# Altium PCB PCB - Assignment 1.PcbDoc (part 1 of 2) (continued)
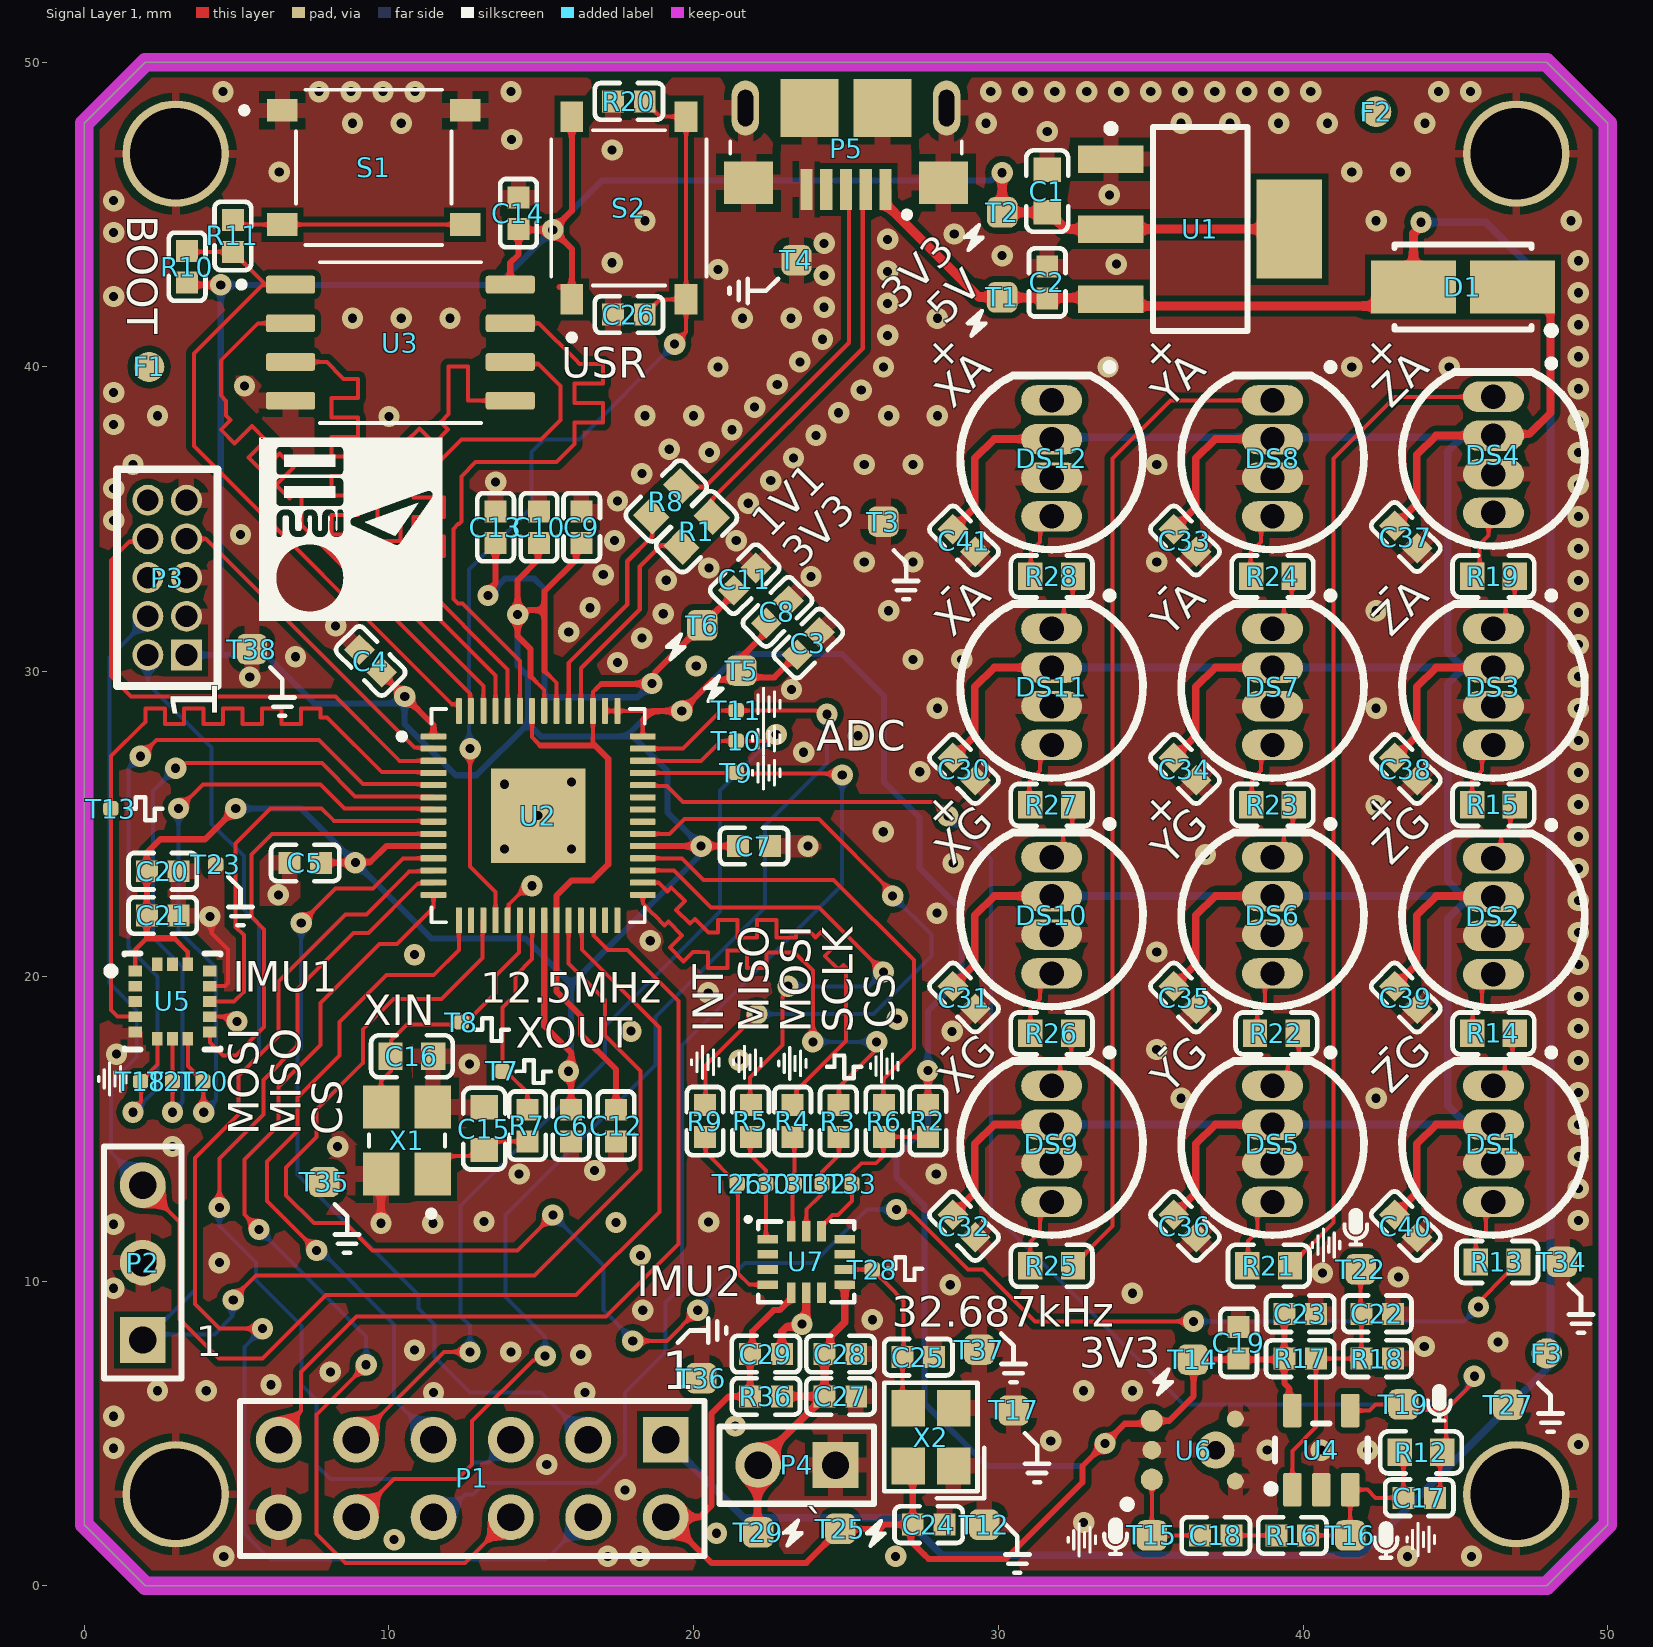
[diagram p0: Signal Layer 1 view]
## Design rules (kind name [scope] priority, off if disabled: settings) (continued)
SupplyNets "Schematic Supply Nets_1" [InNet('+5V')] p4: voltage=0.000
SupplyNets "Schematic Supply Nets" [InNet('+3V3')] p5: voltage=0.000
Width [All] p1: maxlimit=2.54 minlimit=0.089 preferedwidth=0.381
24 further rules are at their usual default settings.

## Classes and differential pairs
net class QSPI: QSPI_CLK QSPI_CS QSPI_SD0 QSPI_SD1 QSPI_SD2 QSPI_SD3
net class USB: USB_N USB_P USB_X_N USB_X_P
net class Signals: ADC1 ADC2 ADC3 GPIO12 IMU1_CS IMU1_INT1 IMU1_INT2 IMU1_MISO IMU1_MOSI IMU2_CS IMU2_CS` IMU2_INT IMU2_INT` IMU2_MISO IMU2_MISO` IMU2_MOSI IMU2_MOSI` LED_DIN MIC_IN NetC17_1 NetC18_1 NetC18_2 NetC22_2 NetDS1_1 NetDS1_4 NetDS2_1 NetDS2_4 NetDS3_1 NetDS3_4 NetDS4_1 NetDS4_4 NetDS5_1 NetDS5_4 NetDS6_1 NetDS6_4 NetDS7_1 NetDS7_4 NetDS8_1 NetDS8_4 NetDS9_1 NetDS9_4 NetDS10_1 NetDS10_4 NetDS11_1 NetDS11_4 NetDS12_4 RUN RX SW1 SWDIO TX UART1_CTS UART1_RTS UART1_RX UART1_TX
net class Power: +1V1 +3V3 +4V3 +5V IMU2_Power
net class GND: GND NetR11_1
net class Clock: CLOCK IMU1_SCLK IMU2_SCLK IMU2_SCLK` SWCLK XIN XOUT XOUT`
component class "SCH - Peripheral": C17 C18 C19 C20 C21 C22 C23 C24 C25 C26 C27 C28 C29 P4 R2 R12 R16 R17 R18 R20 R36 S2 T3 T12 T13 T14 T15 T16 T17 T18 T19 T20 T21 T22 T23 T25 T26 T27 T28 T29 T30 T31 T32 T33 T34 T35 T36 T37 T38 U4 U5 U6 U7 X2
component class "SCH - LED Array": C30 C31 C32 C33 C34 C35 C36 C37 C38 C39 C40 C41 D1 DS1 DS2 DS3 DS4 DS5 DS6 DS7 DS8 DS9 DS10 DS11 DS12 R13 R14 R15 R19 R21 R22 R23 R24 R25 R26 R27 R28
component class "SCH - Inputs and Intermediary": C1 C2 C3 C4 C5 C6 C7 C8 C9 C10 C11 C12 C13 C14 C15 C16 F1 F2 F3 P1 P2 P3 P5 R1 R3 R4 R5 R6 R7 R8 R9 R10 R11 S1 T1 T2 T4 T5 T6 T7 T8 T9 T10 T11 U1 U2 U3 X1
differential pair USB: +USB_P -USB_N
differential pair USB_X: +USB_X_P -USB_X_N

## Components (designator, comment, footprint, x,y, rotation, side; value= is the part's Value field where it differs from the comment)
C1 "CL10A226MQ8NRNC" CAP-0603 31.605,45.775 r270 top value=22µF
C2 "CL05A106MQ5NUNC" CAP-0402 31.605,42.775 r270 top value=10µF
C3 "CL05A105KA5NQNC" CAP-0402 23.762,30.925 r225 top value=1µF
C4 "CL05B104KB54PNC" CAP-0402 9.396,30.35 r315 top value=100nF
C5 "CL05B104KB54PNC" CAP-0402 7.25,23.723 r0 top value=100nF
C6 "CL05B104KB54PNC" CAP-0402 15.978,15.101 r90 top value=100nF
C7 "CL05B104KB54PNC" CAP-0402 21.979,24.275 r180 top value=100nF
C8 "CL05B104KB54PNC" CAP-0402 22.75,31.962 r225 top value=100nF
C9 "CL05B104KB54PNC" CAP-0402 16.325,34.74 r270 top value=100nF
C10 "CL05B104KB54PNC" CAP-0402 14.925,34.74 r270 top value=100nF
C11 "CL05A105KA5NQNC" CAP-0402 21.675,33.037 r45 top value=1µF
C12 "CL05B104KB54PNC" CAP-0402 17.451,15.1 r90 top value=100nF
C13 "CL05B104KB54PNC" CAP-0402 13.5,34.74 r270 top value=100nF
C14 "CL05B104KB54PNC" CAP-0402 14.25,45.05 r270 top value=100nF
C15 "0603CG300J500NT" CAP-0603 13.125,15 r270 top value=30pF
C16 "0603CG300J500NT" CAP-0603 10.75,17.375 r180 top value=30pF
C17 "0402CG330J500NT" CAP-0402 43.818,2.884 r0 top value=33pF
C18 "CL05A106MQ5NUNC" CAP-0402 37.138,1.649 r0 top value=10µF
C19 "CL05B104KB54PNC" CAP-0402 37.888,7.971 r270 top value=100nF
C20 "CL05A106MQ5NUNC" CAP-0402 2.571,23.448 r0 top value=10µF
C21 "CL05B104KB54PNC" CAP-0402 2.571,21.998 r180 top value=100nF
C22 "CL05A225MQ5NSNC" CAP-0402 42.438,8.924 r180 top value=2.2µF
C23 "CL05B104KB54PNC" CAP-0402 39.906,8.924 r180 top value=100nF
C24 "CL05B103KB5NNNC" CAP-0402 27.711,2.002 r180 top value=10nF
C25 "0402CG150J500NT" CAP-0402 27.375,7.5 r180 top value=15pF
C26 "CL05B104KO5NNNC" CAP-0402 17.875,41.72 r0 top value=100nF
C27 "CL05A225MQ5NSNC" CAP-0402 24.816,6.212 r180 top value=2.2µF
C28 "CL05B104KB54PNC" CAP-0402 24.816,7.602 r180 top value=100nF
C29 "CL05B103KB5NNNC" CAP-0402 22.373,7.602 r180 top value=10nF
C30 "CL05B104KO5NNNC" CAP-0402 28.875,26.805 r135 top value=100nF
C31 "CL05B104KO5NNNC" CAP-0402 28.875,19.305 r135 top value=100nF
C32 "CL05B104KO5NNNC" CAP-0402 28.875,11.805 r135 top value=100nF
C33 "CL05B104KO5NNNC" CAP-0402 36.125,34.305 r135 top value=100nF
C34 "CL05B104KO5NNNC" CAP-0402 36.125,26.805 r135 top value=100nF
C35 "CL05B104KO5NNNC" CAP-0402 36.125,19.305 r135 top value=100nF
C36 "CL05B104KO5NNNC" CAP-0402 36.125,11.805 r135 top value=100nF
C37 "CL05B104KO5NNNC" CAP-0402 43.375,34.42 r135 top value=100nF
C38 "CL05B104KO5NNNC" CAP-0402 43.375,26.805 r135 top value=100nF
C39 "CL05B104KO5NNNC" CAP-0402 43.375,19.305 r135 top value=100nF
C40 "CL05B104KO5NNNC" CAP-0402 43.375,11.805 r135 top value=100nF
C41 "CL05B104KO5NNNC" CAP-0402 28.875,34.305 r135 top value=100nF
D1 "MDD-M7" DIOM4227X24M 45.25,42.625 r180 top
DS1 "WS2812D-F5-1261" WS2812D-F5-1261-Footprint-1 46.25,14.5 r90 top
DS2 "WS2812D-F5-1261" WS2812D-F5-1261-Footprint-1 46.25,21.97 r90 top
DS3 "WS2812D-F5-1261" WS2812D-F5-1261-Footprint-1 46.25,29.5 r90 top
DS4 "WS2812D-F5-1261" WS2812D-F5-1261-Footprint-1 46.25,37.115 r90 top
DS5 "WS2812D-F5-1261" WS2812D-F5-1261-Footprint-1 39,14.5 r90 top
DS6 "WS2812D-F5-1261" WS2812D-F5-1261-Footprint-1 39,22 r90 top
DS7 "WS2812D-F5-1261" WS2812D-F5-1261-Footprint-1 39,29.5 r90 top
DS8 "WS2812D-F5-1261" WS2812D-F5-1261-Footprint-1 39,37 r90 top
DS9 "WS2812D-F5-1261" WS2812D-F5-1261-Footprint-1 31.75,14.5 r90 top
DS10 "WS2812D-F5-1261" WS2812D-F5-1261-Footprint-1 31.75,22 r90 top
DS11 "WS2812D-F5-1261" WS2812D-F5-1261-Footprint-1 31.75,29.5 r90 top
DS12 "WS2812D-F5-1261" WS2812D-F5-1261-Footprint-1 31.75,37 r90 top
F1 "Fiducial Pad" Fiducial 2.125,40 r0 top
F2 "Fiducial Pad" Fiducial 42.4,48.375 r0 top
F3 "Fiducial Pad" Fiducial 48,7.625 r0 top
P1 "Header 6X2" HDR2X6 19.08,4.79 r180 top locked
P2 "Header 3" HDR1X3 1.918,8.064 r90 top
P3 "Header 1.27mm 2x5 PTH" "Header 1.27mm 2x5 PTH" 3.355,30.548 r90 top locked
P4 "Header 2" HDR1X2 24.656,3.958 r180 top
P5 "10118193-0001LF" FCI_10118193-0001LF 25,48.5 r180 top
R1 "0603WAF270JT5E" RES-0603 20.095,34.595 r225 top value=27
R2 "0402WGF5102TCE" RES-0402 27.688,15.252 r90 top value=51k
R3 "0402WGF0000TCE" RES-0402 24.75,15.25 r270 top value=0
R4 "0402WGF0000TCE" RES-0402 23.25,15.25 r270 top value=0
R5 "0402WGF0000TCE" RES-0402 21.875,15.25 r270 top value=0
R6 "0402WGF0000TCE" RES-0402 26.25,15.25 r270 top value=0
R7 "0402WGF1001TCE" RES-0402 14.546,15.1 r270 top value=1k
R8 "0603WAF270JT5E" RES-0603 19.1,35.6 r225 top value=27
R9 "0402WGF0000TCE" RES-0402 20.375,15.25 r270 top value=0
R10 "0402WGF1002TCE" RES-0402 3.375,43.29 r270 top value=10k
R11 "0402WGF1001TCE" RES-0402 4.875,44.3 r270 top value=1k
R12 "0603WAF2203T5E" RES-0603 43.875,4.375 r0 top value=220k
R13 "0603WAF750JT5E" RES-0603 46.375,10.625 r180 top value=75
R14 "0603WAF750JT5E" RES-0603 46.25,18.125 r180 top value=75
R15 "0603WAF750JT5E" RES-0603 46.25,25.625 r180 top value=75
R16 "0402WGF3301TCE" RES-0402 39.65,1.649 r0 top value=3.3k
R17 "0402WGF1003TCE" RES-0402 39.906,7.451 r180 top value=100k
R18 "0402WGF1003TCE" RES-0402 42.438,7.451 r180 top value=100k
R19 "0603WAF750JT5E" RES-0603 46.25,33.125 r180 top value=75
R20 "0402WGF1003TCE" RES-0402 17.875,48.72 r0 top value=100k
R21 "0603WAF750JT5E" RES-0603 38.875,10.5 r180 top value=75
R22 "0603WAF750JT5E" RES-0603 39.125,18.125 r180 top value=75
R23 "0603WAF750JT5E" RES-0603 39,25.625 r180 top value=75
R24 "0603WAF750JT5E" RES-0603 39,33.125 r180 top value=75
R25 "0603WAF750JT5E" RES-0603 31.75,10.5 r180 top value=75
R26 "0603WAF750JT5E" RES-0603 31.75,18.125 r180 top value=75
R27 "0603WAF750JT5E" RES-0603 31.75,25.625 r180 top value=75
R28 "0603WAF750JT5E" RES-0603 31.75,33.125 r180 top value=75
R36 "0402WGF0000TCE" RES-0402 22.373,6.212 r0 top value=0
S1 "TS-1187A-B-A-B" SW_TS-1187A-B-A-B 9.5,46.55 r0 top
S2 "TS-1187A-B-A-B" SW_TS-1187A-B-A-B 17.875,45.22 r90 top
T1 "TP" TestPoint 30.125,42.285 r0 top
T2 "TP" TestPoint 30.125,45.075 r0 top
T3 "TP" TestPoint 26.229,34.928 r0 top
T4 "TP" TestPoint 23.375,43.5 r0 top
T5 "TP" TestPoint 21.57,30.037 r0 top
T6 "TP" TestPoint 20.282,31.52 r0 top
T7 "TP" "TestPoint - Small" 13.718,16.885 r0 top
T8 "TP" "TestPoint - Small" 12.375,18.5 r0 top
T9 "TP" "TestPoint - Small" 21.396,26.69 r0 top
T10 "TP" "TestPoint - Small" 21.396,27.725 r90 top
T11 "TP" "TestPoint - Small" 21.396,28.725 r90 top
T12 "TP" TestPoint 29.543,2.002 r90 top
T13 "TP" "TestPoint - Small" 0.871,25.506 r90 top
T14 "TP" TestPoint 36.388,7.421 r180 top
T15 "TP" TestPoint 35.038,1.649 r180 top
T16 "TP" TestPoint 41.55,1.649 r180 top
T17 "TP" TestPoint 30.5,5.75 r90 top
T18 "TP" "TestPoint - Small" 1.846,16.55 r90 top
T19 "TP" TestPoint 43.298,5.949 r180 top
T20 "TP" "TestPoint - Small" 3.896,16.55 r90 top
T21 "TP" "TestPoint - Small" 2.896,16.55 r90 top
T22 "TP" TestPoint 41.888,10.384 r180 top
T23 "TP" "TestPoint - Small" 4.317,23.673 r90 top
T25 "TP" TestPoint 24.816,1.865 r90 top
T26 "TP" "TestPoint - Small" 21.431,13.191 r90 top
T27 "TP" TestPoint 46.74,5.941 r90 top
T28 "TP" "TestPoint - Small" 25.864,10.377 r90 top
T29 "TP" TestPoint 22.123,1.752 r90 top
T30 "TP" "TestPoint - Small" 22.373,13.191 r90 top
T31 "TP" "TestPoint - Small" 23.305,13.191 r90 top
T32 "TP" "TestPoint - Small" 24.216,13.191 r90 top
T33 "TP" "TestPoint - Small" 25.195,13.191 r90 top
T34 "TP" TestPoint 48.5,10.625 r90 top
T35 "TP" TestPoint 7.875,13.25 r90 top
T36 "TP" TestPoint 20.25,6.812 r90 top
T37 "TP" TestPoint 29.375,7.75 r90 top
T38 "TP" TestPoint 5.503,30.742 r90 top
U1 "AMS1117-3.3" SOT230P700X180-4N 36.625,44.525 r180 top
U2 "RP2040" QFN40P700X700X90-57N 14.896,25.275 r270 top locked
U3 "W25Q128JVSIQ" SOIC127P790X216-8N 10.375,40.8 r270 top
U4 "LMV321IDBVR" FP-DBV0005A-MFG 40.6,4.449 r90 top
U5 "LIS3DHTR" FP-LGA-16-7983231-MFG 2.896,19.175 r0 top locked
U6 "S08OB383-031" Goertek_S08OB381-026 36.388,4.449 r90 top
U7 "IMU IC" LGA-14_L3.0-W2.5-P0.50-TL 23.696,10.627 r0 top
X1 "CMP-00002-4" X322512MSB4SI-Footprint-1 10.589,14.61 r90 top
X2 "HSO221S RTC" OSC-SMD_4P-L2.5-W2.0-BL 27.786,4.877 r90 top value=32.768kHz

## Footprints (in the part's own frame and the unit in brackets; to place one, negate y for a bottom-side part, rotate by r counter-clockwise, add the part's x,y. Pads: shape width x height; smd on the part's side, far side on the other; paste and mask are expansions set on the pad)
CAP-0402 [mm]
  rect 0.72x0.72 smd mask+0.051: 1(-0.52,0)
  rect 0.72x0.72 smd mask+0.05: 2(0.52,0)
  silkscreen extent -1.12,-0.6 1.12,0.6, body extent -0.55,-0.27 0.55,0.28, height 0.4
CAP-0603 [mm]
  rect 0.8x0.9 smd paste+0 mask+0.05: 1(-0.7,0) 2(0.7,0)
  silkscreen extent -1.34,-0.69 1.34,0.69, body extent -0.85,-0.45 0.85,0.45, height 0.9
DIOM4227X24M [mm] "Molded Diode, 2-Leads, Body 4.25x2.67mm, IPC Low Density"
  rect 2.8x1.75 smd: 1(-1.625,0) 2(1.625,0)
  silkscreen extent -3.03,-1.4 2.25,1.55, body extent -2.47,-1.4 2.47,1.4, height 2.42
FCI_10118193-0001LF [mm]
  rect 0.4x1.35 smd: 1(-1.3,2.675) 2(-0.65,2.675) 3(0,2.675) 4(0.65,2.675) 5(1.3,2.675)
  rect 1.6x1.4 smd: S1(-3.2,2.45) S2(3.2,2.45)
  rect 1.9x1.9 smd: S3(1.2,0) S4(-1.2,0)
  oval 0.9x1.8 hole 0.5 slot 1.2 at 90 deg: S5(-3.3,0) S6(3.3,0)
  silkscreen extent -3.8,1.1 3.8,3.6, body extent -3.93,-2.74 3.93,2.92, height 3.18
Fiducial [mm]
  round 1 smd paste-2539.97 mask-2539.97: F?(0,0)
FP-DBV0005A-MFG [mm]
  rrect17% 1.1x0.6 smd paste+0 mask+0: 1(-1.3,0.95) 2(-1.3,0) 3(-1.3,-0.95) 4(1.3,-0.95) 5(1.3,0.95)
  silkscreen extent -1.39,-1.53 0.87,1.78, body extent -1.95,-1.78 1.95,1.78, height 0.25
FP-LGA-16-7983231-MFG [mm]
  rect 0.45x0.35 smd paste-1000 mask+0: 1(-1.225,1) 2(-1.225,0.5) 3(-1.225,0) 4(-1.225,-0.5) 5(-1.225,-1) 9(1.225,-1) 10(1.225,-0.5) 11(1.225,0) 12(1.225,0.5) 13(1.225,1)
  rect 0.35x0.45 smd paste-1000 mask+0: 6(-0.5,-1.225) 7(0,-1.225) 8(0.5,-1.225) 14(0.5,1.225) 15(0,1.225) 16(-0.5,1.225)
  silkscreen extent -2.15,-1.58 1.58,1.58, body extent -2.07,-2.07 2.07,2.07, height 0.25
Goertek_S08OB381-026 [mm] "Goertek S08OB381-026 SMD package"
  round 0.72 smd: 1(-0.965,1.35) 4(0.965,1.35)
  round 0.56 smd: 2(-1.02,-1.39) 3(1.02,-1.39)
  round 0.61 smd: 5(0,1.35)
  round 1.22 hole 0.61: 6(0,-0.75)
  silkscreen extent -1.9,2.03 -1.65,2.28, body extent -1.5,-1.88 1.5,1.88, height 1.1
HDR1X2 [mm] "Connector; Header; 2 Position"
  rect 1.5x1.5 hole 0.9: 1(0,0)
  round 1.5 hole 0.9: 2(2.54,0)
  silkscreen extent -1.27,-1.27 3.81,1.27
HDR1X3 [mm] "Connector; Header; 3 Position"
  rect 1.5x1.5 hole 0.9: 1(0,0)
  round 1.5 hole 0.9: 2(2.54,0) 3(5.08,0)
  silkscreen extent -1.27,-1.27 6.35,1.27
HDR2X6 [mm] "Connector; Header; 6x2 Position"
  rect 1.5x1.5 hole 0.9: 1(0,0)
  round 1.5 hole 0.9: 2(0,2.54) 3(2.54,0) 4(2.54,2.54) 5(5.08,0) 6(5.08,2.54) 7(7.62,0) 8(7.62,2.54) 9(10.16,0) 10(10.16,2.54) 11(12.7,0) 12(12.7,2.54)
  silkscreen extent -1.27,-1.27 13.97,3.81
"Header 1.27mm 2x5 PTH" [mil] "Header 1.27mm pitch, 2x5, PTH through hole"
  rect 40x40 hole 28: 1(0,0)
  round 40 hole 28: 2(0,50) 3(50,0) 4(50,50) 5(100,0) 6(100,50) 7(150,0) 8(150,50) 9(200,0) 10(200,50)
  silkscreen extent -40,-40 240,90
LGA-14_L3.0-W2.5-P0.50-TL [mm]
  rect 0.675x0.28 smd paste+0 mask+0.051: 1(-1.262,0.75) 2(-1.262,0.25) 3(-1.262,-0.25) 4(-1.262,-0.75) 8(1.262,-0.75) 9(1.262,-0.25) 10(1.262,0.25) 11(1.262,0.75)
  rect 0.28x0.675 smd paste+0 mask+0.051: 5(-0.5,-1.012) 6(0,-1.012) 7(0.5,-1.012) 12(0.5,1.012) 13(0,1.012) 14(-0.5,1.012)
  silkscreen extent -1.98,-1.33 1.58,1.47, body extent -1.5,-1.24 1.5,1.24, height 0.97
OSC-SMD_4P-L2.5-W2.0-BL [mm]
  rect 1.2x1.1 smd paste+0 mask+0.051: 1(-0.95,-0.75) 2(0.95,-0.75) 3(0.95,0.75) 4(-0.95,0.75)
  silkscreen extent -2.01,-1.76 1.78,1.53, body extent -1.25,-1 1.25,1, height 0.65
QFN40P700X700X90-57N [mm]
  rrect25% 0.2x0.84 smd: 1(-2.6,-3.435) 2(-2.2,-3.435) 3(-1.8,-3.435) 4(-1.4,-3.435) 5(-1,-3.435) 6(-0.6,-3.435) 7(-0.2,-3.435) 8(0.2,-3.435) 9(0.6,-3.435) 10(1,-3.435) 11(1.4,-3.435) 12(1.8,-3.435) 13(2.2,-3.435) 14(2.6,-3.435) 29(2.6,3.435) 30(2.2,3.435) 31(1.8,3.435) 32(1.4,3.435) 33(1,3.435) 34(0.6,3.435) 35(0.2,3.435) 36(-0.2,3.435) 37(-0.6,3.435) 38(-1,3.435) 39(-1.4,3.435) 40(-1.8,3.435) 41(-2.2,3.435) 42(-2.6,3.435)
  rrect25% 0.84x0.2 smd: 15(3.435,-2.6) 16(3.435,-2.2) 17(3.435,-1.8) 18(3.435,-1.4) 19(3.435,-1) 20(3.435,-0.6) 21(3.435,-0.2) 22(3.435,0.2) 23(3.435,0.6) 24(3.435,1) 25(3.435,1.4) 26(3.435,1.8) 27(3.435,2.2) 28(3.435,2.6) 43(-3.435,2.6) 44(-3.435,2.2) 45(-3.435,1.8) 46(-3.435,1.4) 47(-3.435,1) 48(-3.435,0.6) 49(-3.435,0.2) 50(-3.435,-0.2) 51(-3.435,-0.6) 52(-3.435,-1) 53(-3.435,-1.4) 54(-3.435,-1.8) 55(-3.435,-2.2) 56(-3.435,-2.6)
  rect 3.1x3.1 smd paste-0.57: 57(0,0)
  silkscreen extent -3.5,-4.57 3.5,3.5, body extent -3.5,-3.5 3.5,3.5, height 0.9
RES-0402 [mm]
  rect 0.72x0.72 smd mask+0.051: 1(-0.52,0)
  rect 0.72x0.72 smd mask+0.05: 2(0.52,0)
  silkscreen extent -1.12,-0.6 1.12,0.6, body extent -0.55,-0.27 0.55,0.28, height 0.4
RES-0603 [mm]
  rect 0.8x0.9 smd paste+0 mask+0.05: 1(-0.7,0) 2(0.7,0)
  silkscreen extent -1.34,-0.69 1.34,0.69, body extent -0.85,-0.45 0.85,0.45, height 0.9
SOIC127P790X216-8N [mm]
  rrect25% 0.58x1.61 smd: 1(-1.905,-3.605) 2(-0.635,-3.605) 3(0.635,-3.605) 4(1.905,-3.605) 5(1.905,3.605) 6(0.635,3.605) 7(-0.635,3.605) 8(-1.905,3.605)
  silkscreen extent -2.64,-5.31 2.64,2.64, body extent -2.69,-4.05 2.69,4.05, height 2.16
SOT230P700X180-4N [mm] "SOT223, 4-Leads, Body 6.51x7.00mm (avg), Pitch 2.30mm, IPC Medium Density"
  rect 2.15x0.9 smd: 1(2.93,-2.3) 2(2.93,0) 3(2.93,2.3)
  rect 2.15x3.25 smd: 4(-2.93,0)
  silkscreen extent -1.55,-3.42 3.05,3.35, body extent -1.86,-3.35 1.86,3.35, height 1.8
SW_TS-1187A-B-A-B [mm]
  rect 1x0.75 smd: A(-3,1.875) B(3,1.875) C(-3,-1.875) D(3,-1.875)
  silkscreen extent -4.35,-2.55 2.55,2.55, body extent -3.25,-2.55 3.25,2.55, height 1.55
TestPoint [mm]
  rrect50% 1x1 smd: 1(0,0)
"TestPoint - Small" [mm]
  rrect50% 0.5x0.5 smd: 1(0,0)
WS2812D-F5-1261-Footprint-1 [mm]
  oval 1x2 hole 0.8: 1(1.905,0) 2(0.635,0) 3(-0.635,0) 4(-1.905,0)
  silkscreen extent -3,-3 3.1,3, body extent -2.75,-2.75 2.37,2.75, height 8.6
X322512MSB4SI-Footprint-1 [mm]
  rect 1.4x1.2 smd: 1(-1.1,-0.85) 2(1.1,-0.85) 3(1.1,0.85) 4(-1.1,0.85)
  silkscreen extent -2.5,-1.25 0.2,1.25, body extent -1.6,-1.25 1.6,1.25, height 0.6

## Part data
C1: library part CMP-001-00157-2, "Capacitor, Ceramic (MLCC), 22uF, ±20%, 6.3V, X5R, ±20%, SMD 0603", Case/Package=0603, JLCPCB Basic Part=Yes, JLCPCB Part Number=C59461, Manufacturer="Samsung Electro-Mechanics", Temperature Coefficient=X5R, Tolerance=20%, Voltage Rating=6.3V, Category="Capacitors - MLCC", ComponentLink1Description=Datasheet, ComponentLink1URL=https://datasheet.lcsc.com/lcsc/1811151138_Samsung-Electro-Mechanics-CL10A226MQ8NRNC_C59461.pdf, ComponentLink2Description="JLCPCB Part URL", ComponentLink2URL=https://jlcpcb.com/partdetail/C59461, ComponentLink3Description="LCSC Part URL", ComponentLink3URL=https://lcsc.com/product-detail/Multilayer-Ceramic-Capacitors-MLCC---SMD-SMT_Samsung-Electro-Mechanics-Samsung-Electro-Mechanics-CL10A226MQ8NRNC_C59461.html, Design Item ID=CL10A226MQ8NRNC, Manufacturer Part Number=CL10A226MQ8NRNC, RoHS=Yes, Source=jlcpcb_capacitors_basic.schlib
C2 C18 C20: library part CMP-001-00141-3, "Capacitor, Ceramic (MLCC), 10uF, ±20%, 6.3V, X5R, ±20%, SMD 0402", Case/Package=0402, JLCPCB Basic Part=Yes, JLCPCB Part Number=C15525, Manufacturer="Samsung Electro-Mechanics", Temperature Coefficient=X5R, Tolerance=20%, Voltage Rating=6.3V, Category="Capacitors - MLCC", ComponentLink1Description=Datasheet, ComponentLink1URL=https://datasheet.lcsc.com/lcsc/2208231630_Samsung-Electro-Mechanics-CL05A106MQ5NUNC_C15525.pdf, ComponentLink2Description="JLCPCB Part URL", ComponentLink2URL=https://jlcpcb.com/partdetail/C15525, ComponentLink3Description="LCSC Part URL", ComponentLink3URL=https://lcsc.com/product-detail/Multilayer-Ceramic-Capacitors-MLCC---SMD-SMT_Samsung-Electro-Mechanics-Samsung-Electro-Mechanics-CL05A106MQ5NUNC_C15525.html, Design Item ID=CL05A106MQ5NUNC, Manufacturer Part Number=CL05A106MQ5NUNC, RoHS=Yes, Source=jlcpcb_capacitors_basic.schlib
C3 C11: library part CMP-001-00140-3, "Capacitor, Ceramic (MLCC), 1uF, ±10%, 25V, X5R, ±10%, SMD 0402", Case/Package=0402, JLCPCB Basic Part=Yes, JLCPCB Part Number=C52923, Manufacturer="Samsung Electro-Mechanics", Temperature Coefficient=X5R, Tolerance=10%, Voltage Rating=25V, Category="Capacitors - MLCC", ComponentLink1Description=Datasheet, ComponentLink1URL=https://datasheet.lcsc.com/lcsc/1811091611_Samsung-Electro-Mechanics-CL05A105KA5NQNC_C52923.pdf, ComponentLink2Description="JLCPCB Part URL", ComponentLink2URL=https://jlcpcb.com/partdetail/C52923, ComponentLink3Description="LCSC Part URL", ComponentLink3URL=https://lcsc.com/product-detail/Multilayer-Ceramic-Capacitors-MLCC---SMD-SMT_Samsung-Electro-Mechanics-Samsung-Electro-Mechanics-CL05A105KA5NQNC_C52923.html, Design Item ID=CL05A105KA5NQNC, Manufacturer Part Number=CL05A105KA5NQNC, RoHS=Yes, Source=jlcpcb_capacitors_basic.schlib
C4 C5 C6 C7 C8 C9 C10 C12 C13 C14 C19 C21 C23 C28: library part CMP-001-00146-3, "Capacitor, Ceramic (MLCC), 100nF, ±10%, 50V, X7R, ±10%, SMD 0402", Case/Package=0402, JLCPCB Basic Part=Yes, JLCPCB Part Number=C307331, Manufacturer="Samsung Electro-Mechanics", Temperature Coefficient=X7R, Tolerance=10%, Voltage Rating=50V, Category="Capacitors - MLCC", ComponentLink1Description=Datasheet, ComponentLink1URL=https://datasheet.lcsc.com/lcsc/1810191222_Samsung-Electro-Mechanics-CL05B104KB54PNC_C307331.pdf, ComponentLink2Description="JLCPCB Part URL", ComponentLink2URL=https://jlcpcb.com/partdetail/C307331, ComponentLink3Description="LCSC Part URL", ComponentLink3URL=https://lcsc.com/product-detail/Multilayer-Ceramic-Capacitors-MLCC---SMD-SMT_Samsung-Electro-Mechanics-Samsung-Electro-Mechanics-CL05B104KB54PNC_C307331.html, Design Item ID=CL05B104KB54PNC, Manufacturer Part Number=CL05B104KB54PNC, RoHS=Yes, Source=jlcpcb_capacitors_basic.schlib
C15 C16: library part CMP-001-00132-2, "Capacitor, Ceramic (MLCC), 30pF, ±5%, 50V, C0G, ±5%, SMD 0603", Case/Package=0603, JLCPCB Basic Part=Yes, JLCPCB Part Number=C1658, Manufacturer="FH(Guangdong Fenghua Advanced Tech)", Temperature Coefficient=C0G, Tolerance=5%, Voltage Rating=50V, Category="Capacitors - MLCC", ComponentLink1Description=Datasheet, ComponentLink1URL=https://datasheet.lcsc.com/lcsc/1810261611_FH--Guangdong-Fenghua-Advanced-Tech-0603CG300J500NT_C1658.pdf, ComponentLink2Description="JLCPCB Part URL", ComponentLink2URL=https://jlcpcb.com/partdetail/C1658, ComponentLink3Description="LCSC Part URL", ComponentLink3URL=https://lcsc.com/product-detail/Multilayer-Ceramic-Capacitors-MLCC---SMD-SMT_FH-Guangdong-Fenghua-Advanced-Tech-FH-Guangdong-Fenghua-Advanced-Tech-0603CG300J500NT_C1658.html, Design Item ID=0603CG300J500NT, Manufacturer Part Number=0603CG300J500NT, RoHS=Yes, Source=jlcpcb_capacitors_basic.schlib
C17: library part CMP-001-00127-3, "Capacitor, Ceramic (MLCC), 33pF, ±5%, 50V, C0G, ±5%, SMD 0402", Case/Package=0402, JLCPCB Basic Part=Yes, JLCPCB Part Number=C1562, Manufacturer="FH(Guangdong Fenghua Advanced Tech)", Temperature Coefficient=C0G, Tolerance=5%, Voltage Rating=50V, Category="Capacitors - MLCC", ComponentLink1Description=Datasheet, ComponentLink1URL=https://datasheet.lcsc.com/lcsc/1811141731_FH--Guangdong-Fenghua-Advanced-Tech-0402CG330J500NT_C1562.pdf, ComponentLink2Description="JLCPCB Part URL", ComponentLink2URL=https://jlcpcb.com/partdetail/C1562, ComponentLink3Description="LCSC Part URL", ComponentLink3URL=https://lcsc.com/product-detail/Multilayer-Ceramic-Capacitors-MLCC---SMD-SMT_FH-Guangdong-Fenghua-Advanced-Tech-FH-Guangdong-Fenghua-Advanced-Tech-0402CG330J500NT_C1562.html, Design Item ID=0402CG330J500NT, Manufacturer Part Number=0402CG330J500NT, RoHS=Yes, Source=jlcpcb_capacitors_basic.schlib
C22 C27: library part CMP-001-00142-3, "Capacitor, Ceramic (MLCC), 2.2uF, ±20%, 6.3V, X5R, ±20%, SMD 0402", Case/Package=0402, JLCPCB Basic Part=Yes, JLCPCB Part Number=C12530, Manufacturer="Samsung Electro-Mechanics", Temperature Coefficient=X5R, Tolerance=20%, Voltage Rating=6.3V, Category="Capacitors - MLCC", ComponentLink1Description=Datasheet, ComponentLink1URL=https://datasheet.lcsc.com/lcsc/1811021410_Samsung-Electro-Mechanics-CL05A225MQ5NSNC_C12530.pdf, ComponentLink2Description="JLCPCB Part URL", ComponentLink2URL=https://jlcpcb.com/partdetail/C12530, ComponentLink3Description="LCSC Part URL", ComponentLink3URL=https://lcsc.com/product-detail/Multilayer-Ceramic-Capacitors-MLCC---SMD-SMT_Samsung-Electro-Mechanics-Samsung-Electro-Mechanics-CL05A225MQ5NSNC_C12530.html, Design Item ID=CL05A225MQ5NSNC, Manufacturer Part Number=CL05A225MQ5NSNC, RoHS=Yes, Source=jlcpcb_capacitors_basic.schlib
C24 C29: library part CMP-001-00145-3, "Capacitor, Ceramic (MLCC), 10nF, ±10%, 50V, X7R, ±10%, SMD 0402", Case/Package=0402, JLCPCB Basic Part=Yes, JLCPCB Part Number=C15195, Manufacturer="Samsung Electro-Mechanics", Temperature Coefficient=X7R, Tolerance=10%, Voltage Rating=50V, Category="Capacitors - MLCC", ComponentLink1Description=Datasheet, ComponentLink1URL=https://datasheet.lcsc.com/lcsc/1810191223_Samsung-Electro-Mechanics-CL05B103KB5NNNC_C15195.pdf, ComponentLink2Description="JLCPCB Part URL", ComponentLink2URL=https://jlcpcb.com/partdetail/C15195, ComponentLink3Description="LCSC Part URL", ComponentLink3URL=https://lcsc.com/product-detail/Multilayer-Ceramic-Capacitors-MLCC---SMD-SMT_Samsung-Electro-Mechanics-Samsung-Electro-Mechanics-CL05B103KB5NNNC_C15195.html, Design Item ID=CL05B103KB5NNNC, Manufacturer Part Number=CL05B103KB5NNNC, RoHS=Yes, Source=jlcpcb_capacitors_basic.schlib
C25: library part CMP-001-00117-3, "Capacitor, Ceramic (MLCC), 15pF, ±5%, 50V, C0G, ±5%, SMD 0402", Case/Package=0402, JLCPCB Basic Part=Yes, JLCPCB Part Number=C1548, Manufacturer="FH(Guangdong Fenghua Advanced Tech)", Temperature Coefficient=C0G, Tolerance=5%, Voltage Rating=50V, Category="Capacitors - MLCC", ComponentLink1Description=Datasheet, ComponentLink1URL=https://datasheet.lcsc.com/lcsc/1810111610_FH--Guangdong-Fenghua-Advanced-Tech-0402CG150J500NT_C1548.pdf, ComponentLink2Description="JLCPCB Part URL", ComponentLink2URL=https://jlcpcb.com/partdetail/C1548, ComponentLink3Description="LCSC Part URL", ComponentLink3URL=https://lcsc.com/product-detail/Multilayer-Ceramic-Capacitors-MLCC---SMD-SMT_FH-Guangdong-Fenghua-Advanced-Tech-FH-Guangdong-Fenghua-Advanced-Tech-0402CG150J500NT_C1548.html, Design Item ID=0402CG150J500NT, Manufacturer Part Number=0402CG150J500NT, RoHS=Yes, Source=jlcpcb_capacitors_basic.schlib
C26 C30 C31 C32 C33 C34 C35 C36 C37 C38 C39 C40 C41: library part CMP-001-00147-3, "Capacitor, Ceramic (MLCC), 100nF, ±10%, 16V, X7R, ±10%, SMD 0402", Case/Package=0402, JLCPCB Basic Part=Yes, JLCPCB Part Number=C1525, Manufacturer="Samsung Electro-Mechanics", Temperature Coefficient=X7R, Tolerance=10%, Voltage Rating=16V, Category="Capacitors - MLCC", ComponentLink1Description=Datasheet, ComponentLink1URL=https://datasheet.lcsc.com/lcsc/1810191219_Samsung-Electro-Mechanics-CL05B104KO5NNNC_C1525.pdf, ComponentLink2Description="JLCPCB Part URL", ComponentLink2URL=https://jlcpcb.com/partdetail/C1525, ComponentLink3Description="LCSC Part URL", ComponentLink3URL=https://lcsc.com/product-detail/Multilayer-Ceramic-Capacitors-MLCC---SMD-SMT_Samsung-Electro-Mechanics-Samsung-Electro-Mechanics-CL05B104KO5NNNC_C1525.html, Design Item ID=CL05B104KO5NNNC, Manufacturer Part Number=CL05B104KO5NNNC, RoHS=Yes, Source=jlcpcb_capacitors_basic.schlib
D1: library part CMP-007-0005-1, "General purpose rectifier, 1.0 A, 1 kV, DO-214AC SMD", JLCPCB Part=C95872, Manufacturer="MDD (Microdiode Electronics)", Manufacturer Part Number=M7, Maximum DC blocking voltage="1000 V", Maximum forward rectified current="1.0 A"
DS1 DS2 DS3 DS4 DS5 DS6 DS7 DS8 DS9 DS10 DS11 DS12: library part CMP-010-0002-2, "Through-hole addressable RGB LED, 5mm"
F1 F2 F3: library part Fiducial, "1x2mm Fiducial Pad", ClassName=Fiducial, Component Class name=Fiducial
P1: library part CMP-002-00136-1, "Header, 6-Pin, Dual row", Component Type=Standard, Design Item ID="Header 6X2", LatestRevisionDate=17-Jul-2002, LatestRevisionNote="Re-released for DXP Platform.", Pin Count=12, Publisher="Altium Limited", Source="Miscellaneous Connectors.SchLib"
P2: library part CMP-002-00117-1, "Header, 3-Pin", Component Type=Standard, Design Item ID="Header 3", LatestRevisionDate=17-Jul-2002, LatestRevisionNote="Re-released for DXP Platform.", Pin Count=3, Publisher="Altium Limited", Source="Miscellaneous Connectors.SchLib"
P3: library part CMP-005-0002-2, "Header 1.27mm pitch, 2x5, PTH through hole", Component Type=Standard, Design Item ID="Header 1.27mm 2x5 PTH", element14 Item=1577743, Pins=10, Source=JCULibrary.SchLib
P4: library part CMP-002-00097-1, "Header, 2-Pin", Component Type=Standard, Design Item ID="Header 2", LatestRevisionDate=17-Jul-2002, LatestRevisionNote="Re-released for DXP Platform.", Pin Count=2, Publisher="Altium Limited", Source="Miscellaneous Connectors.SchLib"
P5: library part CMP-045-000000-8, "USB - micro B USB 2.0 Receptacle Connector 5 Position Surface Mount, Right Angle; Through Hole", JLCPCB Part=C132562, Package=None, Component Type=Standard, Design Item ID=10118193-0001LF, MF="Amphenol ICC", MP=10118193-0001LF, Pin Count=11, SnapEDA_Link=https://www.snapeda.com/parts/10118193-0001LF/Amphenol%20FCI/view-part/2758989/?ref=snap, Source=SnapEDAsch.SchLib
R1 R8: library part CMP-009-00289-2, "Resistor, 27Ω, ±1%, 100mW, 75V, ±200ppm/℃, -55℃~+155℃, SMD 0603", Case/Package=0603, JLCPCB Basic Part=Yes, JLCPCB Part Number=C25190, Manufacturer=Uniroyal, Power Rating=100mW, Temperature Coefficient=±200ppm/℃, Temperature Rating=-55℃~+155℃, Tolerance=1%, Voltage Rating=75V, Category=Resistors, ComponentLink1Description=Datasheet, ComponentLink1URL=https://datasheet.lcsc.com/lcsc/2205311845_UNI-ROYAL-Uniroyal-Elec-0603WAF270JT5E_C25190.pdf, ComponentLink2Description="JLCPCB Part URL", ComponentLink2URL=https://jlcpcb.com/partdetail/C25190, Design Item ID=0603WAF270JT5E, Manufacturer Part Number=0603WAF270JT5E, Source=jlcpcb_resistors_basic.schlib
R2: library part CMP-009-00226-4, "Resistor, 51kΩ, ±1%, 62.5mW, 50V, ±100ppm/℃, -55℃~+155℃, SMD 0402", Case/Package=0402, JLCPCB Basic Part=Yes, JLCPCB Part Number=C25794, Manufacturer=Uniroyal, Power Rating=62.5mW, Temperature Coefficient=±100ppm/℃, Temperature Rating=-55℃~+155℃, Tolerance=1%, Voltage Rating=50V, Category=Resistors, ComponentLink1Description=Datasheet, ComponentLink1URL=https://datasheet.lcsc.com/lcsc/2206010100_UNI-ROYAL-Uniroyal-Elec-0402WGF5102TCE_C25794.pdf, ComponentLink2Description="JLCPCB Part URL", ComponentLink2URL=https://jlcpcb.com/partdetail/C25794, Design Item ID=0402WGF5102TCE, Manufacturer Part Number=0402WGF5102TCE, Source=jlcpcb_resistors_basic.schlib
R3 R4 R5 R6 R9 R36: library part CMP-009-00178-4, "Resistor, 0Ω, ±1%, 62.5mW, 50V, ±800ppm/℃, -55℃~+155℃, SMD 0402", Case/Package=0402, JLCPCB Basic Part=Yes, JLCPCB Part Number=C17168, Manufacturer=Uniroyal, Power Rating=62.5mW, Temperature Coefficient=±800ppm/℃, Temperature Rating=-55℃~+155℃, Tolerance=1%, Voltage Rating=50V, Category=Resistors, ComponentLink1Description=Datasheet, ComponentLink1URL=https://datasheet.lcsc.com/lcsc/2206010216_UNI-ROYAL-Uniroyal-Elec-0402WGF0000TCE_C17168.pdf, ComponentLink2Description="JLCPCB Part URL", ComponentLink2URL=https://jlcpcb.com/partdetail/C17168, Design Item ID=0402WGF0000TCE, Manufacturer Part Number=0402WGF0000TCE, Source=jlcpcb_resistors_basic.schlib
R7 R11: library part CMP-009-00180-4, "Resistor, 1kΩ, ±1%, 62.5mW, 50V, ±100ppm/℃, -55℃~+155℃, SMD 0402", Case/Package=0402, JLCPCB Basic Part=Yes, JLCPCB Part Number=C11702, Manufacturer=Uniroyal, Power Rating=62.5mW, Temperature Coefficient=±100ppm/℃, Temperature Rating=-55℃~+155℃, Tolerance=1%, Voltage Rating=50V, Category=Resistors, ComponentLink1Description=Datasheet, ComponentLink1URL=https://datasheet.lcsc.com/lcsc/2206010216_UNI-ROYAL-Uniroyal-Elec-0402WGF1001TCE_C11702.pdf, ComponentLink2Description="JLCPCB Part URL", ComponentLink2URL=https://jlcpcb.com/partdetail/C11702, Design Item ID=0402WGF1001TCE, Manufacturer Part Number=0402WGF1001TCE, Source=jlcpcb_resistors_basic.schlib
R10: library part CMP-009-00181-4, "Resistor, 10kΩ, ±1%, 62.5mW, 50V, ±100ppm/℃, -55℃~+155℃, SMD 0402", Case/Package=0402, JLCPCB Basic Part=Yes, JLCPCB Part Number=C25744, Manufacturer=Uniroyal, Power Rating=62.5mW, Temperature Coefficient=±100ppm/℃, Temperature Rating=-55℃~+155℃, Tolerance=1%, Voltage Rating=50V, Category=Resistors, ComponentLink1Description=Datasheet, ComponentLink1URL=https://datasheet.lcsc.com/lcsc/2206010100_UNI-ROYAL-Uniroyal-Elec-0402WGF1002TCE_C25744.pdf, ComponentLink2Description="JLCPCB Part URL", ComponentLink2URL=https://jlcpcb.com/partdetail/C25744, Design Item ID=0402WGF1002TCE, Manufacturer Part Number=0402WGF1002TCE, Source=jlcpcb_resistors_basic.schlib
R12: library part CMP-009-00277-2, "Resistor, 220kΩ, ±1%, 100mW, 75V, ±100ppm/℃, -55℃~+155℃, SMD 0603", Case/Package=0603, JLCPCB Basic Part=Yes, JLCPCB Part Number=C22961, Manufacturer=Uniroyal, Power Rating=100mW, Temperature Coefficient=±100ppm/℃, Temperature Rating=-55℃~+155℃, Tolerance=1%, Voltage Rating=75V, Category=Resistors, ComponentLink1Description=Datasheet, ComponentLink1URL=https://datasheet.lcsc.com/lcsc/2206010130_UNI-ROYAL-Uniroyal-Elec-0603WAF2203T5E_C22961.pdf, ComponentLink2Description="JLCPCB Part URL", ComponentLink2URL=https://jlcpcb.com/partdetail/C22961, Design Item ID=0603WAF2203T5E, Manufacturer Part Number=0603WAF2203T5E, Source=jlcpcb_resistors_basic.schlib
R13 R14 R15 R19 R21 R22 R23 R24 R25 R26 R27 R28: library part CMP-009-00347-2, "Resistor, 75Ω, ±1%, 100mW, 75V, ±200ppm/℃, -55℃~+155℃, SMD 0603", Case/Package=0603, JLCPCB Basic Part=Yes, JLCPCB Part Number=C4275, Manufacturer=Uniroyal, Power Rating=100mW, Temperature Coefficient=±200ppm/℃, Temperature Rating=-55℃~+155℃, Tolerance=1%, Voltage Rating=75V, Category=Resistors, ComponentLink1Description=Datasheet, ComponentLink1URL=https://datasheet.lcsc.com/lcsc/2206010216_UNI-ROYAL-Uniroyal-Elec-0603WAF750JT5E_C4275.pdf, ComponentLink2Description="JLCPCB Part URL", ComponentLink2URL=https://jlcpcb.com/partdetail/C4275, Design Item ID=0603WAF750JT5E, Manufacturer Part Number=0603WAF750JT5E, Source=jlcpcb_resistors_basic.schlib
R16: library part CMP-009-00211-4, "Resistor, 3.3kΩ, ±1%, 62.5mW, 50V, ±100ppm/℃, -55℃~+155℃, SMD 0402", Case/Package=0402, JLCPCB Basic Part=Yes, JLCPCB Part Number=C25890, Manufacturer=Uniroyal, Power Rating=62.5mW, Temperature Coefficient=±100ppm/℃, Temperature Rating=-55℃~+155℃, Tolerance=1%, Voltage Rating=50V, Category=Resistors, ComponentLink1Description=Datasheet, ComponentLink1URL=https://datasheet.lcsc.com/lcsc/2206010045_UNI-ROYAL-Uniroyal-Elec-0402WGF3301TCE_C25890.pdf, ComponentLink2Description="JLCPCB Part URL", ComponentLink2URL=https://jlcpcb.com/partdetail/C25890, Design Item ID=0402WGF3301TCE, Manufacturer Part Number=0402WGF3301TCE, Source=jlcpcb_resistors_basic.schlib
R17 R18 R20: library part CMP-009-00182-4, "Resistor, 100kΩ, ±1%, 62.5mW, 50V, ±100ppm/℃, -55℃~+155℃, SMD 0402", Case/Package=0402, JLCPCB Basic Part=Yes, JLCPCB Part Number=C25741, Manufacturer=Uniroyal, Power Rating=62.5mW, Temperature Coefficient=±100ppm/℃, Temperature Rating=-55℃~+155℃, Tolerance=1%, Voltage Rating=50V, Category=Resistors, ComponentLink1Description=Datasheet, ComponentLink1URL=https://datasheet.lcsc.com/lcsc/2206010100_UNI-ROYAL-Uniroyal-Elec-0402WGF1003TCE_C25741.pdf, ComponentLink2Description="JLCPCB Part URL", ComponentLink2URL=https://jlcpcb.com/partdetail/C25741, Design Item ID=0402WGF1003TCE, Manufacturer Part Number=0402WGF1003TCE, Source=jlcpcb_resistors_basic.schlib
S1 S2: library part CMP-015-000000-1, "SPST 50mA @ 12VDC Top Actuated Round Button 160gf SMD Tactile Switches RoHS", JLCPCB Part=C318884, Package=None, Availability=Unavailable, Component Type=Standard, Design Item ID=TS-1187A-B-A-B, MP=TS-1187A-B-A-B, Pin Count=4, Price=None, Source=TS-1187A-B-A-B.SchLib
T1 T2 T3 T4 T5 T6 T12 T14 T15 T16 T17 T19 T22 T25 T27 T29 T34 T35 T36 T37 T38: library part TestPoint
T7 T8 T9 T10 T11 T13 T18 T20 T21 T23 T26 T28 T30 T31 T32 T33: library part "TestPoint Small"
U1: library part CMP-00001-4, "3.3V 1A LOW DROPOUT VOLTAGE REGULATOR SOT-223", Dropout voltage="1.3 V", JLCPCB Part=C6186, Output current="1 A", Output voltage="3.3 V"
U2: library part CMP-043-000000-5, "ARM Cortex-M0+ MCU 32-Bit Microcontroller for Raspberry Pi Pico", JLCPCB Part=C2040, Package=None, Availability=Available, Component Type=Standard, Design Item ID=RP2040, MP=RP2040, Pin Count=57, Price=None, Source=RP2040.SchLib
U3: library part CMP-031-00006-4, "FLASH - NOR Memory IC 128Mb (16M x 8) SPI - Quad I/O, QPI, DTR 133 MHz 8-SOIC", JLCPCB Part=C97521, Package="SOIC-8 Winbond", Availability="In Stock", Check_prices=https://www.snapeda.com/parts/W25Q128JVSIQ/Winbond+Electronics/view-part/?ref=eda, Component Type=Standard, Design Item ID=W25Q128JVSIQ, MF="Winbond Electronics", MP=W25Q128JVSIQ, Pin Count=8, Price=None, Purchase-URL=https://pricing.snapeda.com/search/part/W25Q128JVSIQ/?ref=eda, SnapEDA_Link=https://www.snapeda.com/parts/W25Q128JVSIQ/Winbond+Electronics/view-part/?ref=snap, Source=W25Q128JVSIQ.SchLib
U4: library part CMP-00012-2, "General Purpose Amplifier 1 Circuit Rail-to-Rail SOT-23-5", Case/Package=SOT-23-5, Input Bias Current=250nA, Input Offset Voltage (Vos)=7mV, JLCPCB Part=C7972, Max Operating Temperature=125°C, Max Supply Voltage=5.5V, Min Operating Temperature=-40°C, Min Supply Voltage=2.7V, Nominal Supply Current=250uA, Operating Supply Current=130uA, Output current=160mA, Package Quantity=1, Power Supply Rejection Ratio (PSRR)=50dB, Voltage Gain=100dB, Amplifier Type="GENERAL PURPOSE", Bandwidth=1MHz, Common Mode Rejection Ratio=50dB, Contact Plating=Tin,Matte, Gain Bandwidth Product=1MHz, Lead Free="Lead Free", Mount="Surface Mount", Number of Amplifiers=1, Number of Channels=1, Number of Circuits=1, Number of Elements=1, Number of Pins=5, Output Current per Channel=160mA, Packaging="Tape and Reel", Radiation Hardening=No, REACH SVHC="No SVHC", RoHS Compliant=Yes, Series=-, Slew Rate=1V/µs, Supply Current=250uA, Technology=BICMOS, Unity Gain Bandwidth Product=1MHz
U5: library part CMP-00010-2, "ACCEL 2-16G I2C/SPI 16LGA", Case/Package=LGA, JLCPCB Part=C15134, Max Operating Temperature=85°C, Max Supply Voltage=3.6V, Min Operating Temperature=-40°C, Min Supply Voltage=1.71V, Operating Supply Current=11uA, Operating Supply Voltage=2.5V, Package Quantity=1, Axis="X, Y, Z", Bandwidth=5kHz, Contact Plating=Gold, Depth=3mm, Height=1mm, Interface=I2C, Lead Free="Lead Free", Length=3mm, Max Supply Voltage (DC)=3.6V, Min Supply Voltage (DC)=1.71V, Number of Pins=16, Output Type=Digital, Packaging="Tape and Reel", Radiation Hardening=No, REACH SVHC="No SVHC", Resolution=16b, RoHS Compliant=Yes, Sensor Type="3 Axis", Series=-, Width=3mm
U6: library part CMP-00027-00000-1, "MEMS Microphone SMD 3.76x3x1.1mm", JLCPCB Part=C233789
U7: library part ICM-42688-P, "ICM-42688-P LGA-14(2.5x3) Attitude Sensor/Gyroscope", JLCPCB Part #=C1850418, JLCPCB Part Class="Extended Part", Manufacturer="TDK InvenSense(应美盛)", Add into BOM=yes, Convert to PCB=yes, Datasheet=https://atta.szlcsc.com/upload/public/pdf/source/20210703/CF24204867ACE5B754A2B035F23E5931.pdf, Device=ICM-42688-P, LCSC Part #=C1850418, LCSC Part Name=ICM-42688-P, Manufacturer Part=ICM-42688-P, Sensor Type=加速度计陀螺仪, Supplier=LCSC, Supplier Footprint=LGA-14(2.5x3), Supplier Part=C1850418, Symbol=ICM-42688-P
X1: library part CMP-003-00030-1, "12MHz SMD Crystal Resonator 20pF ±10ppm ±30ppm -40℃~+85℃ SMD3225-4P  Crystals ROHS Yangxing Tech", Frequency=12MHz, JLCPCB Part=C9002, Load Capacitance=20pF, Design Item ID=CMP-00002-4, Max ESR="80 Ω", Source=SCH_LIB_Assignment1.SchLib
X2: library part S2H32768KF3CHC-IT, "HSO221S RTC - 3.3V 3mA ±30ppm 32.768kHz SMD2520-4P Oscillators ROHS", Frequency Stability(Full temperature range)=±30ppm, JLCPCB Part #=C253914, JLCPCB Part Class="Extended Part", Manufacturer=HELE(台湾加高), Operating Temperature=-30℃~+85℃, Supply Current (Max)=3mA, Supply Voltage=3.3V, Add into BOM=yes, Convert to PCB=yes, Datasheet=https://atta.szlcsc.com/upload/public/pdf/source/20190430/C253914_C770A64EFF6E6E62846100D666617C6C.pdf, Device=S2H32768KF3CHC-IT, LCSC Part #=C253914, LCSC Part Name=S2H32768KF3CHC-IT, Manufacturer Part=S2H32768KF3CHC-IT, Supplier=LCSC, Supplier Footprint=SMD2520-4P, Supplier Part=C253914, Symbol=S2H32768KF3CHC-IT

## Free pads (board coordinates)
  round 3.5 hole 3 paste-2539.97 mask+0.102: 1(3,3) 2(3,47) 3(47,47) 4(47,3)

## Via types
v1: diameter 0.7, hole 0.3, Signal Layer 1 to Signal Layer 2, 284 vias

## Nets (pads, with @x,y where several pads share a name; then routed paths per layer and width w, separated by ;. In a path a pad name is that pad's centre, name@x,y a point inside that pad or via, vN(x,y) a via of type N, cw(c..) or ccw(c..) an arc to the next point about the centre after c; other vN are vias at no path point)
+1V1: C11.1 C12.2 C13.2 T6.1 U2.23 U2.45 U2.50 | length 36.3
  Signal Layer 1 w0.131: U2.50@14.696,28.71 14.696,27.85 14.971,27.575 ; 16.696,27.575 U2.45@16.696,28.71 16.696,29.325 16.968,29.598
  Signal Layer 1 w0.2: v1(13.25,32.5) 13.25,32.654 13.496,32.9 13.496,34.216 C13.2@13.5,34.22 ; 14.971,27.575 16.72,27.575 16.742,27.597 17.196,27.143 17.196,23.675 16.671,23.15 15.996,23.15 15.496,22.65 U2.23@15.496,21.84 15.496,19.504 16.296,18.704 16.296,18.1 17.451,16.945 C12.2@17.451,15.62 ; 16.968,29.598 18.618,29.598 18.726,29.706 18.726,29.965 T6.1@20.282,31.52 21.369,32.608 C11.1@21.383,32.622
  Signal Layer 2 w0.2: v1(13.25,32.5) 13.802,33.052 14.772,33.052 15.104,32.721 15.104,29.276 15.221,29.159 18.163,29.159 18.615,29.61 v1(18.631,29.61)